# KiCad board panel.opm-inline.kicad_pcb (continued)
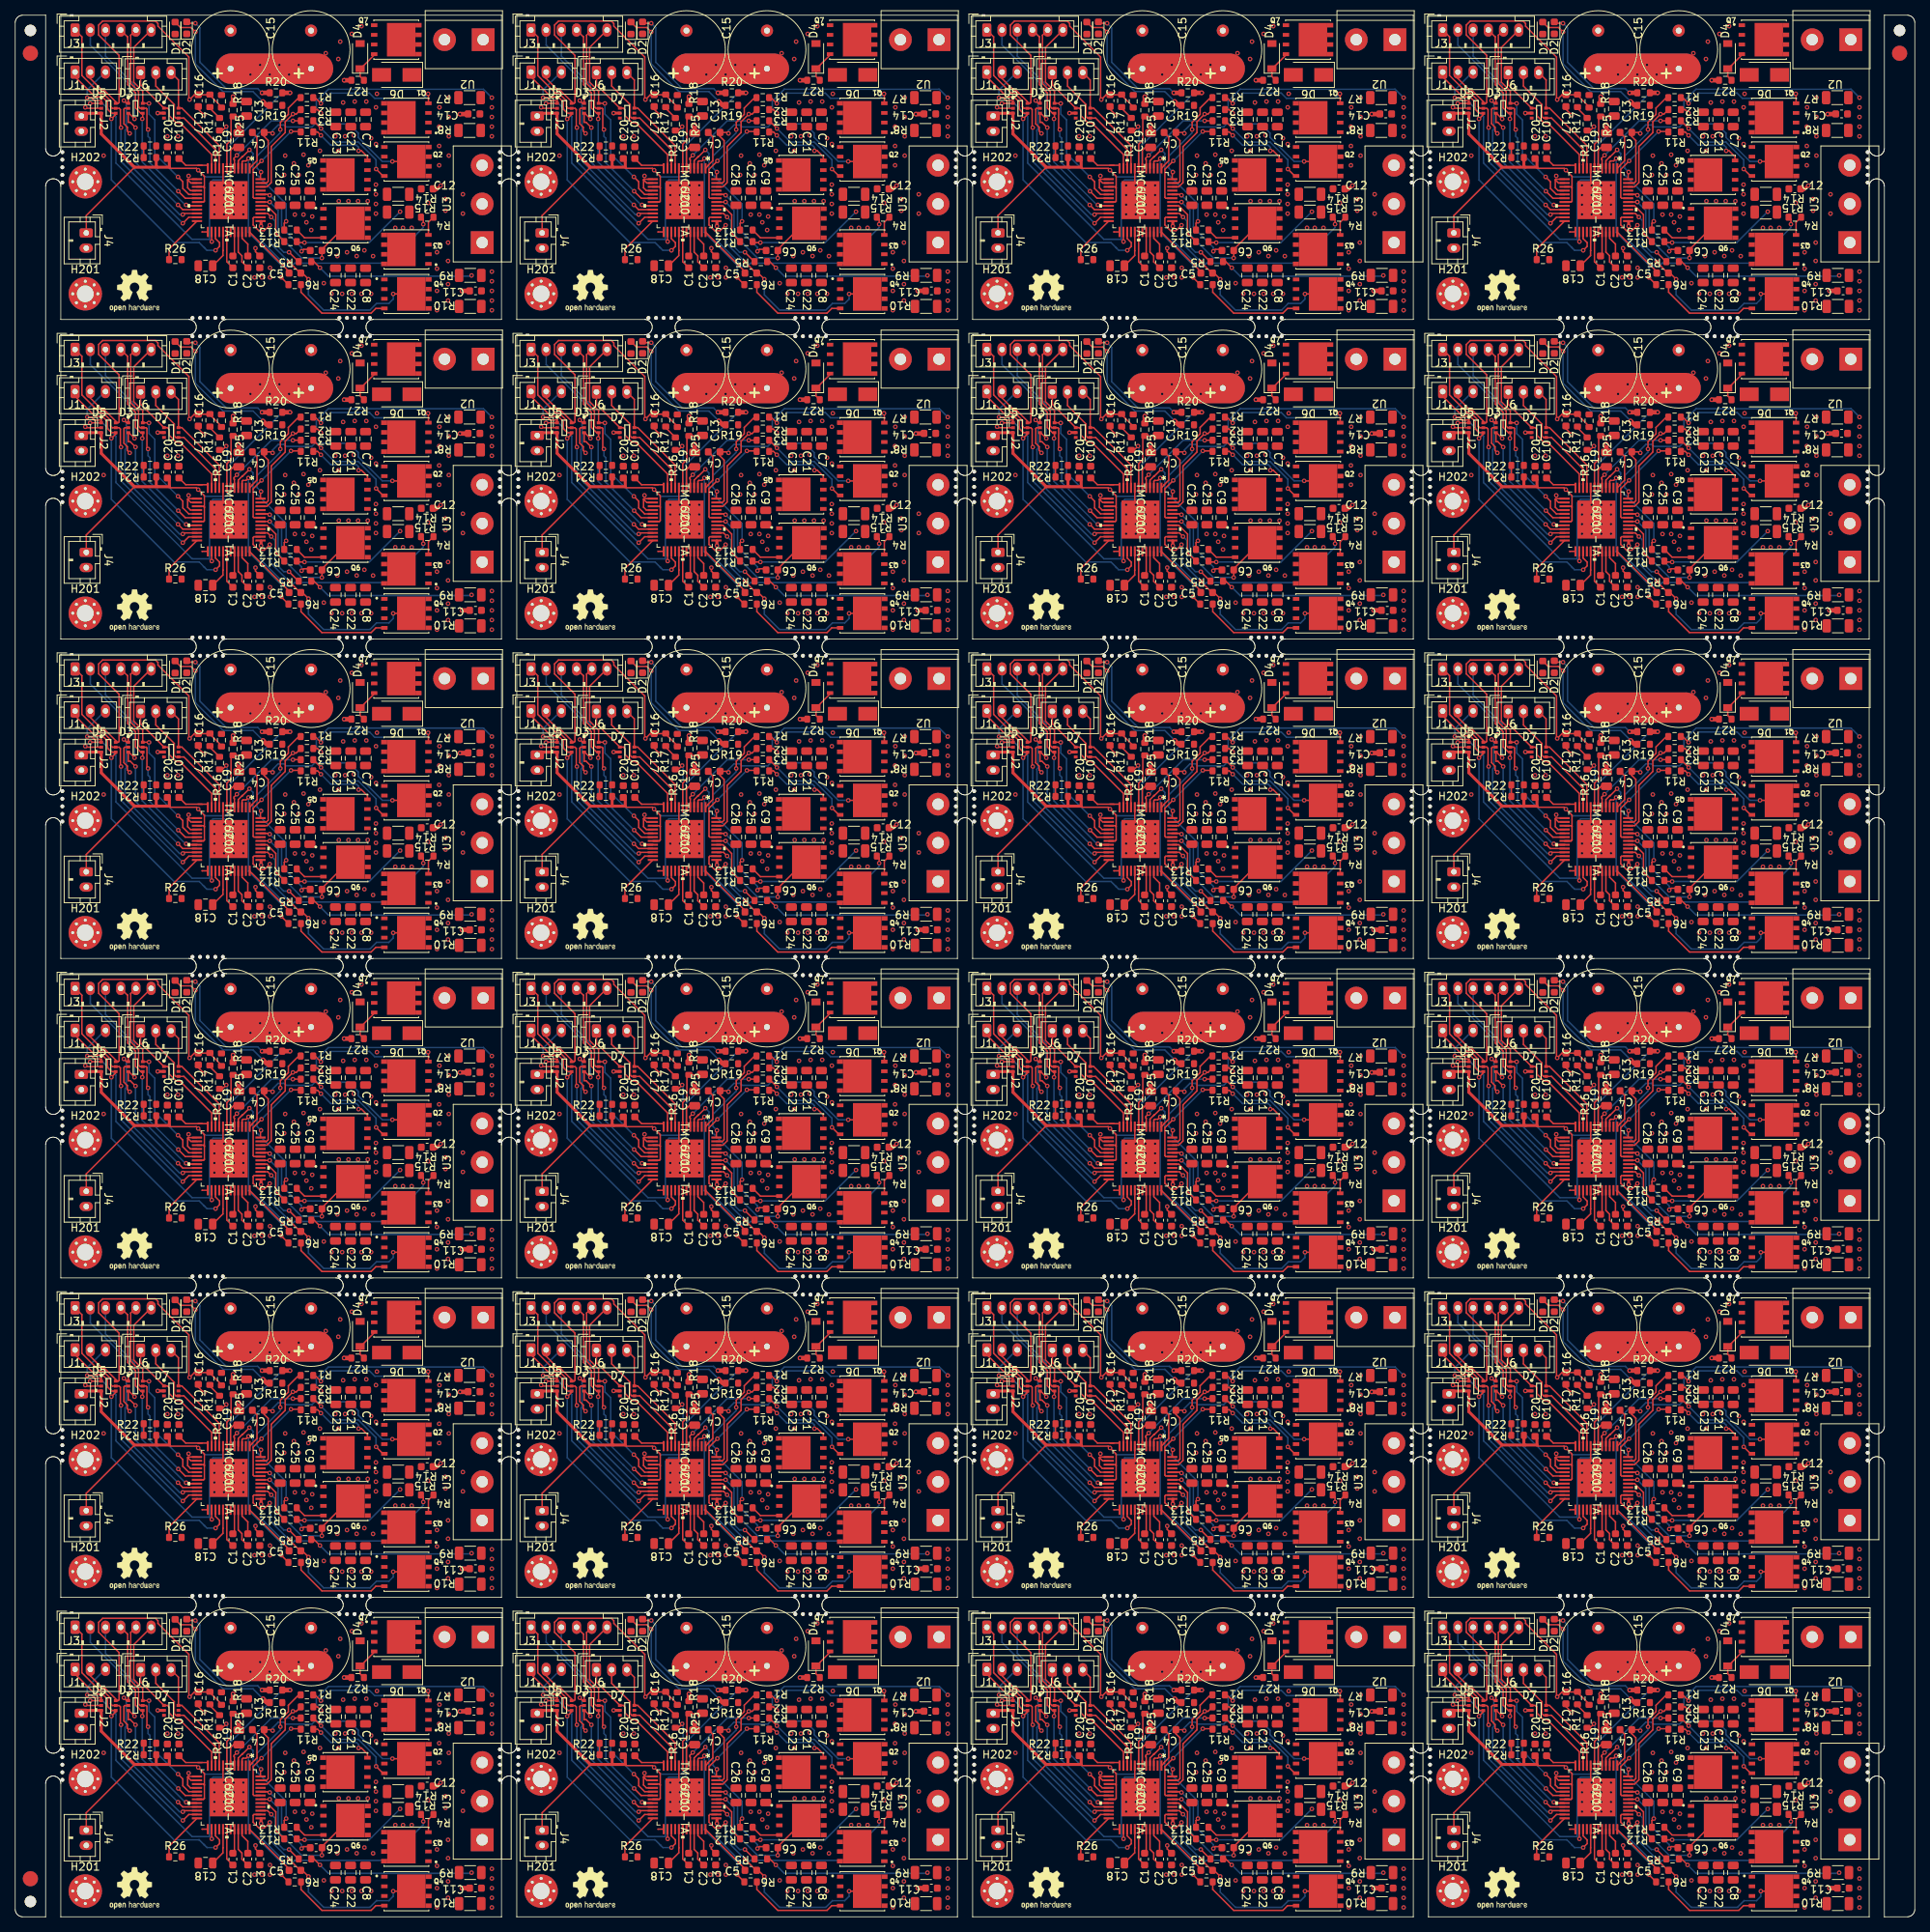
[diagram p0: board, top side]
## Routing (per net, layer and track width the routed paths; a pad name or vN(x,y) marks a point on that pad's centre or on a via; arc(x,y) is an arc through that point) (continued)
  Top w0.4: 80.22,188.86 80.22,187.98 75.64,187.98 71.26,192.36 D5#21.3 69.02,195.08 ; R21#5.1 78.5,188.17
  Bottom w0.2: 87.83,192.55 87.83,186.71 84.9,186.71 v1(84.02,187.59) ; 87.83,192.55 87.83,192.81 ; 87.83,192.55 87.83,193.19 v1(87.71,193.32)
Board_6-/5Vout: length 9
  Top w0.2: IC1#5.7 147.73,191 148.28,191.55 148.28,194.39 R25#15.1 150.26,194.65 C13#17.1
Board_6-/12Vout: length 3.6
  Top w0.2: C19#5.1 148.61,190.59 148.23,190.21 IC1#5.6
Board_6-/+VCC_IO: length 53.8
  Top w0.2: J4#21.1 129.24,181.63 135.59,187.98 ; 128.86,194.71 J2#2.1 128.97,195.08 ; R16#22.1 147.15,192.81 v1(147.66,193.32) ; 144.66,183.41 144.78,183.53 144.78,185.29 ; 144.66,183.41 IC1#5.19 144.66,183.41 ; 140.17,187.98 140.32,187.84 143.73,187.84 v1(143.97,187.59) 144.78,186.79 144.78,185.29 ; 144.78,185.29 144.66,185.41 IC1#5.15 ; 140.17,188.86 C20#20.1 ; 138.45,188.17 138.64,187.98
  Top w0.4: 140.17,188.86 140.17,187.98 135.59,187.98 131.21,192.36 D5#10.3 128.97,195.08 ; R21#21.1 138.45,188.17
  Bottom w0.2: 147.78,192.55 147.78,186.71 144.85,186.71 v1(143.97,187.59) ; 147.78,192.55 147.78,192.81 ; 147.78,192.55 147.78,193.19 v1(147.66,193.32)
Board_7-/5Vout: length 9
  Top w0.2: IC1#6.7 207.68,191 208.23,191.55 208.23,194.39 R25#12.1 210.21,194.65 C13#22.1
Board_7-/12Vout: length 3.6
  Top w0.2: C19#11.1 208.56,190.59 208.18,190.21 IC1#6.6
Board_7-/+VCC_IO: length 53.8
  Top w0.2: J4#14.1 189.19,181.63 195.54,187.98 ; 188.81,194.71 J2#13.1 188.92,195.08 ; R16#20.1 207.1,192.81 v1(207.61,193.32) ; 204.61,183.41 204.73,183.53 204.73,185.29 ; 204.61,183.41 IC1#6.19 204.61,183.41 ; 200.12,187.98 200.27,187.84 203.68,187.84 v1(203.92,187.59) 204.73,186.79 204.73,185.29 ; 204.73,185.29 204.61,185.41 IC1#6.15 ; 200.12,188.86 C20.1 ; 198.4,188.17 198.59,187.98
  Top w0.4: 200.12,188.86 200.12,187.98 195.54,187.98 191.16,192.36 D5#7.3 188.92,195.08 ; R21#3.1 198.4,188.17
  Bottom w0.2: 207.73,192.55 207.73,186.71 204.8,186.71 v1(203.92,187.59) ; 207.73,192.55 207.73,192.81 ; 207.73,192.55 207.73,193.19 v1(207.61,193.32)
Board_8-/5Vout: length 9
  Top w0.2: IC1#23.7 27.83,149.01 28.38,149.56 28.38,152.4 R25#8.1 30.36,152.66 C13#4.1
Board_8-/12Vout: length 3.6
  Top w0.2: C19#3.1 28.71,148.6 28.33,148.22 IC1#23.6
Board_8-/+VCC_IO: length 53.8
  Top w0.2: J4#3.1 9.34,139.64 15.69,145.99 ; 8.96,152.72 J2#15.1 9.07,153.09 ; R16#6.1 27.25,150.82 v1(27.76,151.33) ; 24.76,141.42 24.88,141.54 24.88,143.3 ; 24.76,141.42 IC1#23.19 24.76,141.42 ; 20.27,145.99 20.42,145.85 23.83,145.85 v1(24.07,145.6) 24.88,144.8 24.88,143.3 ; 24.88,143.3 24.76,143.42 IC1#23.15 ; 20.27,146.87 C20#3.1 ; 18.55,146.18 18.74,145.99
  Top w0.4: 20.27,146.87 20.27,145.99 15.69,145.99 11.31,150.37 D5#24.3 9.07,153.09 ; R21#24.1 18.55,146.18
  Bottom w0.2: 27.88,150.56 27.88,144.72 24.95,144.72 v1(24.07,145.6) ; 27.88,150.56 27.88,150.82 ; 27.88,150.56 27.88,151.2 v1(27.76,151.33)
Board_9-/5Vout: length 9
  Top w0.2: IC1#13.7 87.78,149.01 88.33,149.56 88.33,152.4 R25#24.1 90.31,152.66 C13#9.1
Board_9-/12Vout: length 3.6
  Top w0.2: C19#13.1 88.66,148.6 88.28,148.22 IC1#13.6
Board_9-/+VCC_IO: length 53.8
  Top w0.2: J4#13.1 69.29,139.64 75.64,145.99 ; 68.91,152.72 J2#20.1 69.02,153.09 ; R16#19.1 87.2,150.82 v1(87.71,151.33) ; 84.71,141.42 84.83,141.54 84.83,143.3 ; 84.71,141.42 IC1#13.19 84.71,141.42 ; 80.22,145.99 80.37,145.85 83.78,145.85 v1(84.02,145.6) 84.83,144.8 84.83,143.3 ; 84.83,143.3 84.71,143.42 IC1#13.15 ; 80.22,146.87 C20#9.1 ; 78.5,146.18 78.69,145.99
  Top w0.4: 80.22,146.87 80.22,145.99 75.64,145.99 71.26,150.37 D5#6.3 69.02,153.09 ; R21#14.1 78.5,146.18
  Bottom w0.2: 87.83,150.56 87.83,144.72 84.9,144.72 v1(84.02,145.6) ; 87.83,150.56 87.83,150.82 ; 87.83,150.56 87.83,151.2 v1(87.71,151.33)
Board_10-/5Vout: length 9
  Top w0.2: IC1#4.7 147.73,149.01 148.28,149.56 148.28,152.4 R25#22.1 150.26,152.66 C13#21.1
Board_10-/12Vout: length 3.6
  Top w0.2: C19#2.1 148.61,148.6 148.23,148.22 IC1#4.6
Board_10-/+VCC_IO: length 53.8
  Top w0.2: J4#12.1 129.24,139.64 135.59,145.99 ; 128.86,152.72 J2#19.1 128.97,153.09 ; R16#24.1 147.15,150.82 v1(147.66,151.33) ; 144.66,141.42 144.78,141.54 144.78,143.3 ; 144.66,141.42 IC1#4.19 144.66,141.42 ; 140.17,145.99 140.32,145.85 143.73,145.85 v1(143.97,145.6) 144.78,144.8 144.78,143.3 ; 144.78,143.3 144.66,143.42 IC1#4.15 ; 140.17,146.87 C20#21.1 ; 138.45,146.18 138.64,145.99
  Top w0.4: 140.17,146.87 140.17,145.99 135.59,145.99 131.21,150.37 D5#5.3 128.97,153.09 ; R21#11.1 138.45,146.18
  Bottom w0.2: 147.78,150.56 147.78,144.72 144.85,144.72 v1(143.97,145.6) ; 147.78,150.56 147.78,150.82 ; 147.78,150.56 147.78,151.2 v1(147.66,151.33)
Board_11-/5Vout: length 9
  Top w0.2: IC1#8.7 207.68,149.01 208.23,149.56 208.23,152.4 R25#19.1 210.21,152.66 C13#10.1
Board_11-/12Vout: length 3.6
  Top w0.2: C19#7.1 208.56,148.6 208.18,148.22 IC1#8.6
Board_11-/+VCC_IO: length 53.8
  Top w0.2: J4#6.1 189.19,139.64 195.54,145.99 ; 188.81,152.72 J2#5.1 188.92,153.09 ; R16#15.1 207.1,150.82 v1(207.61,151.33) ; 204.61,141.42 204.73,141.54 204.73,143.3 ; 204.61,141.42 IC1#8.19 204.61,141.42 ; 200.12,145.99 200.27,145.85 203.68,145.85 v1(203.92,145.6) 204.73,144.8 204.73,143.3 ; 204.73,143.3 204.61,143.42 IC1#8.15 ; 200.12,146.87 C20#11.1 ; 198.4,146.18 198.59,145.99
  Top w0.4: 200.12,146.87 200.12,145.99 195.54,145.99 191.16,150.37 D5#16.3 188.92,153.09 ; R21#16.1 198.4,146.18
  Bottom w0.2: 207.73,150.56 207.73,144.72 204.8,144.72 v1(203.92,145.6) ; 207.73,150.56 207.73,150.82 ; 207.73,150.56 207.73,151.2 v1(207.61,151.33)
Board_12-/5Vout: length 9
  Top w0.2: IC1#22.7 27.83,107.02 28.38,107.57 28.38,110.41 R25#11.1 30.36,110.67 C13#24.1
Board_12-/12Vout: length 3.6
  Top w0.2: C19#10.1 28.71,106.61 28.33,106.23 IC1#22.6
Board_12-/+VCC_IO: length 53.8
  Top w0.2: J4#10.1 9.34,97.65 15.69,104 ; 8.96,110.73 J2#6.1 9.07,111.1 ; R16#13.1 27.25,108.83 v1(27.76,109.34) ; 24.76,99.43 24.88,99.55 24.88,101.31 ; 24.76,99.43 IC1#22.19 24.76,99.43 ; 20.27,104 20.42,103.86 23.83,103.86 v1(24.07,103.61) 24.88,102.81 24.88,101.31 ; 24.88,101.31 24.76,101.43 IC1#22.15 ; 20.27,104.88 C20#18.1 ; 18.55,104.19 18.74,104
  Top w0.4: 20.27,104.88 20.27,104 15.69,104 11.31,108.38 D5#9.3 9.07,111.1 ; R21#2.1 18.55,104.19
  Bottom w0.2: 27.88,108.57 27.88,102.73 24.95,102.73 v1(24.07,103.61) ; 27.88,108.57 27.88,108.83 ; 27.88,108.57 27.88,109.21 v1(27.76,109.34)
Board_13-/5Vout: length 9
  Top w0.2: IC1#19.7 87.78,107.02 88.33,107.57 88.33,110.41 R25#17.1 90.31,110.67 C13#8.1
Board_13-/12Vout: length 3.6
  Top w0.2: C19.1 88.66,106.61 88.28,106.23 IC1#19.6
Board_13-/+VCC_IO: length 53.8
  Top w0.2: J4.1 69.29,97.65 75.64,104 ; 68.91,110.73 J2#4.1 69.02,111.1 ; R16#21.1 87.2,108.83 v1(87.71,109.34) ; 84.71,99.43 84.83,99.55 84.83,101.31 ; 84.71,99.43 IC1#19.19 84.71,99.43 ; 80.22,104 80.37,103.86 83.78,103.86 v1(84.02,103.61) 84.83,102.81 84.83,101.31 ; 84.83,101.31 84.71,101.43 IC1#19.15 ; 80.22,104.88 C20#6.1 ; 78.5,104.19 78.69,104
  Top w0.4: 80.22,104.88 80.22,104 75.64,104 71.26,108.38 D5#15.3 69.02,111.1 ; R21#13.1 78.5,104.19
  Bottom w0.2: 87.83,108.57 87.83,102.73 84.9,102.73 v1(84.02,103.61) ; 87.83,108.57 87.83,108.83 ; 87.83,108.57 87.83,109.21 v1(87.71,109.34)
Board_14-/5Vout: length 9
  Top w0.2: IC1.7 147.73,107.02 148.28,107.57 148.28,110.41 R25#21.1 150.26,110.67 C13#2.1
Board_14-/12Vout: length 3.6
  Top w0.2: C19#12.1 148.61,106.61 148.23,106.23 IC1.6
Board_14-/+VCC_IO: length 53.8
  Top w0.2: J4#20.1 129.24,97.65 135.59,104 ; 128.86,110.73 J2#24.1 128.97,111.1 ; R16#9.1 147.15,108.83 v1(147.66,109.34) ; 144.66,99.43 144.78,99.55 144.78,101.31 ; 144.66,99.43 IC1.19 144.66,99.43 ; 140.17,104 140.32,103.86 143.73,103.86 v1(143.97,103.61) 144.78,102.81 144.78,101.31 ; 144.78,101.31 144.66,101.43 IC1.15 ; 140.17,104.88 C20#2.1 ; 138.45,104.19 138.64,104
  Top w0.4: 140.17,104.88 140.17,104 135.59,104 131.21,108.38 D5#20.3 128.97,111.1 ; R21#6.1 138.45,104.19
  Bottom w0.2: 147.78,108.57 147.78,102.73 144.85,102.73 v1(143.97,103.61) ; 147.78,108.57 147.78,108.83 ; 147.78,108.57 147.78,109.21 v1(147.66,109.34)
Board_15-/5Vout: length 9
  Top w0.2: IC1#9.7 207.68,107.02 208.23,107.57 208.23,110.41 R25#9.1 210.21,110.67 C13#7.1
Board_15-/12Vout: length 3.6
  Top w0.2: C19#17.1 208.56,106.61 208.18,106.23 IC1#9.6
Board_15-/+VCC_IO: length 53.8
  Top w0.2: J4#24.1 189.19,97.65 195.54,104 ; 188.81,110.73 J2#11.1 188.92,111.1 ; R16#10.1 207.1,108.83 v1(207.61,109.34) ; 204.61,99.43 204.73,99.55 204.73,101.31 ; 204.61,99.43 IC1#9.19 204.61,99.43 ; 200.12,104 200.27,103.86 203.68,103.86 v1(203.92,103.61) 204.73,102.81 204.73,101.31 ; 204.73,101.31 204.61,101.43 IC1#9.15 ; 200.12,104.88 C20#10.1 ; 198.4,104.19 198.59,104
  Top w0.4: 200.12,104.88 200.12,104 195.54,104 191.16,108.38 D5#4.3 188.92,111.1 ; R21#8.1 198.4,104.19
  Bottom w0.2: 207.73,108.57 207.73,102.73 204.8,102.73 v1(203.92,103.61) ; 207.73,108.57 207.73,108.83 ; 207.73,108.57 207.73,109.21 v1(207.61,109.34)
Board_16-/5Vout: length 9
  Top w0.2: IC1#2.7 27.83,65.03 28.38,65.58 28.38,68.42 R25#14.1 30.36,68.68 C13#13.1
Board_16-/12Vout: length 3.6
  Top w0.2: C19#23.1 28.71,64.62 28.33,64.24 IC1#2.6
Board_16-/+VCC_IO: length 53.8
  Top w0.2: J4#5.1 9.34,55.66 15.69,62.01 ; 8.96,68.74 J2.1 9.07,69.11 ; R16#8.1 27.25,66.84 v1(27.76,67.35) ; 24.76,57.44 24.88,57.56 24.88,59.32 ; 24.76,57.44 IC1#2.19 24.76,57.44 ; 20.27,62.01 20.42,61.87 23.83,61.87 v1(24.07,61.62) 24.88,60.82 24.88,59.32 ; 24.88,59.32 24.76,59.44 IC1#2.15 ; 20.27,62.89 C20#23.1 ; 18.55,62.2 18.74,62.01
  Top w0.4: 20.27,62.89 20.27,62.01 15.69,62.01 11.31,66.39 D5.3 9.07,69.11 ; R21#10.1 18.55,62.2
  Bottom w0.2: 27.88,66.58 27.88,60.74 24.95,60.74 v1(24.07,61.62) ; 27.88,66.58 27.88,66.84 ; 27.88,66.58 27.88,67.22 v1(27.76,67.35)
Board_17-/5Vout: length 9
  Top w0.2: IC1#21.7 87.78,65.03 88.33,65.58 88.33,68.42 R25#3.1 90.31,68.68 C13#6.1
Board_17-/12Vout: length 3.6
  Top w0.2: C19#9.1 88.66,64.62 88.28,64.24 IC1#21.6
Board_17-/+VCC_IO: length 53.8
  Top w0.2: J4#4.1 69.29,55.66 75.64,62.01 ; 68.91,68.74 J2#22.1 69.02,69.11 ; R16#2.1 87.2,66.84 v1(87.71,67.35) ; 84.71,57.44 84.83,57.56 84.83,59.32 ; 84.71,57.44 IC1#21.19 84.71,57.44 ; 80.22,62.01 80.37,61.87 83.78,61.87 v1(84.02,61.62) 84.83,60.82 84.83,59.32 ; 84.83,59.32 84.71,59.44 IC1#21.15 ; 80.22,62.89 C20#14.1 ; 78.5,62.2 78.69,62.01
  Top w0.4: 80.22,62.89 80.22,62.01 75.64,62.01 71.26,66.39 D5#14.3 69.02,69.11 ; R21.1 78.5,62.2
  Bottom w0.2: 87.83,66.58 87.83,60.74 84.9,60.74 v1(84.02,61.62) ; 87.83,66.58 87.83,66.84 ; 87.83,66.58 87.83,67.22 v1(87.71,67.35)
Board_18-/5Vout: length 9
  Top w0.2: IC1#20.7 147.73,65.03 148.28,65.58 148.28,68.42 R25#13.1 150.26,68.68 C13#20.1
Board_18-/12Vout: length 3.6
  Top w0.2: C19#15.1 148.61,64.62 148.23,64.24 IC1#20.6
Board_18-/+VCC_IO: length 53.8
  Top w0.2: J4#22.1 129.24,55.66 135.59,62.01 ; 128.86,68.74 J2#9.1 128.97,69.11 ; R16#17.1 147.15,66.84 v1(147.66,67.35) ; 144.66,57.44 144.78,57.56 144.78,59.32 ; 144.66,57.44 IC1#20.19 144.66,57.44 ; 140.17,62.01 140.32,61.87 143.73,61.87 v1(143.97,61.62) 144.78,60.82 144.78,59.32 ; 144.78,59.32 144.66,59.44 IC1#20.15 ; 140.17,62.89 C20#13.1 ; 138.45,62.2 138.64,62.01
  Top w0.4: 140.17,62.89 140.17,62.01 135.59,62.01 131.21,66.39 D5#13.3 128.97,69.11 ; R21#12.1 138.45,62.2
  Bottom w0.2: 147.78,66.58 147.78,60.74 144.85,60.74 v1(143.97,61.62) ; 147.78,66.58 147.78,66.84 ; 147.78,66.58 147.78,67.22 v1(147.66,67.35)
Board_19-/5Vout: length 9
  Top w0.2: IC1#18.7 207.68,65.03 208.23,65.58 208.23,68.42 R25#20.1 210.21,68.68 C13#15.1
Board_19-/12Vout: length 3.6
  Top w0.2: C19#24.1 208.56,64.62 208.18,64.24 IC1#18.6
Board_19-/+VCC_IO: length 53.8
  Top w0.2: J4#23.1 189.19,55.66 195.54,62.01 ; 188.81,68.74 J2#8.1 188.92,69.11 ; R16#16.1 207.1,66.84 v1(207.61,67.35) ; 204.61,57.44 204.73,57.56 204.73,59.32 ; 204.61,57.44 IC1#18.19 204.61,57.44 ; 200.12,62.01 200.27,61.87 203.68,61.87 v1(203.92,61.62) 204.73,60.82 204.73,59.32 ; 204.73,59.32 204.61,59.44 IC1#18.15 ; 200.12,62.89 C20#24.1 ; 198.4,62.2 198.59,62.01
  Top w0.4: 200.12,62.89 200.12,62.01 195.54,62.01 191.16,66.39 D5#23.3 188.92,69.11 ; R21#4.1 198.4,62.2
  Bottom w0.2: 207.73,66.58 207.73,60.74 204.8,60.74 v1(203.92,61.62) ; 207.73,66.58 207.73,66.84 ; 207.73,66.58 207.73,67.22 v1(207.61,67.35)
Board_20-/5Vout: length 9
  Top w0.2: IC1#14.7 27.83,23.04 28.38,23.59 28.38,26.43 R25#7.1 30.36,26.69 C13#19.1
Board_20-/12Vout: length 3.6
  Top w0.2: C19#16.1 28.71,22.63 28.33,22.25 IC1#14.6
Board_20-/+VCC_IO: length 53.8
  Top w0.2: J4#9.1 9.34,13.67 15.69,20.02 ; 8.96,26.75 J2#21.1 9.07,27.12 ; R16#18.1 27.25,24.85 v1(27.76,25.36) ; 24.76,15.45 24.88,15.57 24.88,17.33 ; 24.76,15.45 IC1#14.19 24.76,15.45 ; 20.27,20.02 20.42,19.88 23.83,19.88 v1(24.07,19.63) 24.88,18.83 24.88,17.33 ; 24.88,17.33 24.76,17.45 IC1#14.15 ; 20.27,20.9 C20#4.1 ; 18.55,20.21 18.74,20.02
  Top w0.4: 20.27,20.9 20.27,20.02 15.69,20.02 11.31,24.4 D5#11.3 9.07,27.12 ; R21#20.1 18.55,20.21
  Bottom w0.2: 27.88,24.59 27.88,18.75 24.95,18.75 v1(24.07,19.63) ; 27.88,24.59 27.88,24.85 ; 27.88,24.59 27.88,25.23 v1(27.76,25.36)
Board_21-/5Vout: length 9
  Top w0.2: IC1#24.7 87.78,23.04 88.33,23.59 88.33,26.43 R25#16.1 90.31,26.69 C13#5.1
Board_21-/12Vout: length 3.6
  Top w0.2: C19#4.1 88.66,22.63 88.28,22.25 IC1#24.6
Board_21-/+VCC_IO: length 53.8
  Top w0.2: J4#8.1 69.29,13.67 75.64,20.02 ; 68.91,26.75 J2#12.1 69.02,27.12 ; R16#14.1 87.2,24.85 v1(87.71,25.36) ; 84.71,15.45 84.83,15.57 84.83,17.33 ; 84.71,15.45 IC1#24.19 84.71,15.45 ; 80.22,20.02 80.37,19.88 83.78,19.88 v1(84.02,19.63) 84.83,18.83 84.83,17.33 ; 84.83,17.33 84.71,17.45 IC1#24.15 ; 80.22,20.9 C20#5.1 ; 78.5,20.21 78.69,20.02
  Top w0.4: 80.22,20.9 80.22,20.02 75.64,20.02 71.26,24.4 D5#17.3 69.02,27.12 ; R21#19.1 78.5,20.21
  Bottom w0.2: 87.83,24.59 87.83,18.75 84.9,18.75 v1(84.02,19.63) ; 87.83,24.59 87.83,24.85 ; 87.83,24.59 87.83,25.23 v1(87.71,25.36)
Board_22-/5Vout: length 9
  Top w0.2: IC1#17.7 147.73,23.04 148.28,23.59 148.28,26.43 R25#2.1 150.26,26.69 C13#23.1
Board_22-/12Vout: length 3.6
  Top w0.2: C19#18.1 148.61,22.63 148.23,22.25 IC1#17.6
Board_22-/+VCC_IO: length 53.8
  Top w0.2: J4#2.1 129.24,13.67 135.59,20.02 ; 128.86,26.75 J2#16.1 128.97,27.12 ; R16#5.1 147.15,24.85 v1(147.66,25.36) ; 144.66,15.45 144.78,15.57 144.78,17.33 ; 144.66,15.45 IC1#17.19 144.66,15.45 ; 140.17,20.02 140.32,19.88 143.73,19.88 v1(143.97,19.63) 144.78,18.83 144.78,17.33 ; 144.78,17.33 144.66,17.45 IC1#17.15 ; 140.17,20.9 C20#19.1 ; 138.45,20.21 138.64,20.02
  Top w0.4: 140.17,20.9 140.17,20.02 135.59,20.02 131.21,24.4 D5#12.3 128.97,27.12 ; R21#22.1 138.45,20.21
  Bottom w0.2: 147.78,24.59 147.78,18.75 144.85,18.75 v1(143.97,19.63) ; 147.78,24.59 147.78,24.85 ; 147.78,24.59 147.78,25.23 v1(147.66,25.36)
Board_23-/5Vout: length 9
  Top w0.2: IC1#15.7 207.68,23.04 208.23,23.59 208.23,26.43 R25#23.1 210.21,26.69 C13#12.1
Board_23-/12Vout: length 3.6
  Top w0.2: C19#19.1 208.56,22.63 208.18,22.25 IC1#15.6
Board_23-/+VCC_IO: length 53.8
  Top w0.2: J4#19.1 189.19,13.67 195.54,20.02 ; 188.81,26.75 J2#10.1 188.92,27.12 ; R16#4.1 207.1,24.85 v1(207.61,25.36) ; 204.61,15.45 204.73,15.57 204.73,17.33 ; 204.61,15.45 IC1#15.19 204.61,15.45 ; 200.12,20.02 200.27,19.88 203.68,19.88 v1(203.92,19.63) 204.73,18.83 204.73,17.33 ; 204.73,17.33 204.61,17.45 IC1#15.15 ; 200.12,20.9 C20#17.1 ; 198.4,20.21 198.59,20.02
  Top w0.4: 200.12,20.9 200.12,20.02 195.54,20.02 191.16,24.4 D5#8.3 188.92,27.12 ; R21#15.1 198.4,20.21
  Bottom w0.2: 207.73,24.59 207.73,18.75 204.8,18.75 v1(203.92,19.63) ; 207.73,24.59 207.73,24.85 ; 207.73,24.59 207.73,25.23 v1(207.61,25.36)
Board_0-/+VM: length 61.7
  Top w0.2: IC1#3.33 29.33,218.81 29.82,218.33 29.82,217.53 C2#3.1
  Top w0.6: R25#18.2 v1(28.65,239.24)
  Top w4: 28.39,242.93 39.82,242.93
  In1.Cu w4: 28.65,242.93 38.45,242.93
  In2.Cu w4: 28.39,242.93 39.82,242.93 28.39,242.93
  Bottom w4: 28.39,242.93 39.82,242.93
  vias: v1(30.93,242.16) v1(31.46,215.49) v1(32.2,243.43) v1(32.43,215.49) v1(33.47,242.16) v1(33.5,216.76) v1(33.5,215.49) v1(34.74,243.43) v1(35.38,228.96) v1(35.5,231.5) v1(36.01,242.16) v1(36.65,230.48) v1(37.28,243.43) v1(37.28,228.96) v1(37.92,231.62) v1(38.55,230.23) v1(40.08,232.13) v1(40.84,244.96) v1(42.36,218.3) v1(42.49,244.2) v1(42.49,232.13) v1(42.74,246.48) v1(43.12,238.48) v1(43.63,218.8) v1(44.27,247.5) v1(44.65,238.61) v1(44.9,218.3) v1(45.54,248.51) v1(45.92,219.05) v1(46.17,238.61) v1(47.06,218.29) v1(47.44,237.85) v1(47.57,239.62) v1(49.98,222.01) v1(51,222.01) v1(52.14,222.01)
Board_0-/ADC_I_u: length 15.5
  Top w0.2: IC1#3.9 26.83,232.82 21.92,237.73 D7#8.6 21.47,241.44 J6#11.3
Board_0-/ADC_I_v: length 17.7
  Top w0.2: 26.27,230.31 26.33,230.25 IC1#3.10 26.33,232.29 22.18,236.43 D7#8.4 21.13,236.43 20.92,236.64 20.92,238.21 18.49,240.64 J6#11.2 18.99,241.91
Board_0-/ADC_I_w: length 17
  Top w0.2: IC1#3.11 25.83,231.64 21.66,235.81 21.18,235.81 20.26,236.73 20.26,237.49 20.02,237.73 D7#8.1 16.49,240.82 J6#11.1
Board_0-/Connectors/VOFS: length 1.8
  Top w0.2: R22#2.1 R21#9.2 ; 16.58,231.12 16.9,231.12
Board_0-/DRV_EN: length 38.5
  Top w0.2: v1(12.64,236.32) 13.21,236.89 D5#18.4 12.66,237.07 12.14,237.59 12.14,238.54 11.44,239.23 10.5,239.23 7.87,241.86 J1#9.1 ; v1(26.35,219.05) 26.87,219.57 26.87,220.06 26.33,220.59 IC1#3.27 26.33,221.05 26.35,221.03
  Bottom w0.2: 24.84,219.43 24.96,219.3 ; 24.84,219.43 24.2,220.07 20.88,220.07 12.64,228.3 v1(12.64,236.32) ; 24.84,219.43 25.22,219.05 v1(26.35,219.05)
Board_0-/FAULT: length 63.4
  Top w0.2: v1(9.85,238.35) 9.87,238.37 D5#18.1 11.31,238.68 ; 11.37,238.74 10.43,238.74 10.05,239.12 v1(9.47,239.12) ; v1(25.85,220.19) 25.83,220.21 IC1#3.26
  Top w0.6: R20#9.2 v1(36.14,239.75)
  Bottom w0.2: 13.15,236.7 12.93,236.92 ; 13.15,236.7 13.24,236.61 13.24,230.52 23.27,220.49 25.55,220.49 ; 13.15,236.7 11.5,238.35 v1(9.85,238.35) ; 25.55,220.49 v1(25.85,220.19) ; 25.55,220.49 25.55,227.83 26.02,228.3 28.05,228.3 28.28,228.54 28.28,232.91 35.12,239.75 v1(36.14,239.75) ; J1#9.3 11.81,242.48 9.47,240.13 v1(9.47,239.12)
Board_0-/Motor Driver/VOFS: length 4.7
  Top w0.2: 24.04,230.23 25.31,230.23 ; C10#13.1 22.42,230.23 24.58,230.23
Board_0-/TEMP_PCB: length 42.5
  Top w0.2: 13.21,245.12 13.2,245.13 ; 13.2,245.13 13.66,244.67 13.66,238.48 13.55,238.37 D5#18.6 13.21,238.59 11.78,240.03 11.48,240.03 9.87,241.63 J1#9.2 ; 13.2,245.13 10.97,247.36 10.97,248.65 11.5,249.18 18.45,249.18 18.77,248.86 18.77,248.52 22.84,244.45 22.84,238.95 v1(22.93,238.86) 23.57,239.5 C17#9.1 25.57,239.5 R17#19.2 25.6,239.43 27.12,237.91
Board_0-/U: length 27.2
  Top w0.2: R2.1 39.74,237.55 v1(40.2,237.08)
  Bottom w0.2: v1(62.68,239.12) 61.57,240.22 41.18,240.22 39.6,238.64 39.6,237.68 v1(40.2,237.08)
  vias: v1(62.68,237.85) v1(62.68,236.58) v1(62.68,235.31) v1(62.68,234.04)
Board_0-/UH: length 27.5
  Top w0.2: v1(21.41,228.7) 22.04,228.07 22.04,227.18 22.82,226.4 IC1#3.17 ; 17.87,247.65 J3#13.6 15.59,245.72 15.59,241.15 16.77,239.97 D3#9.6 17.58,238.37 v1(17.6,238.35)
  Bottom w0.2: v1(17.6,238.35) 17.6,236.96 18.36,236.2 18.36,231.75 v1(21.41,228.7)
Board_0-/UL: length 27.4
  Top w0.2: v1(17.47,234.93) 17.32,235.08 17.32,237.62 17.22,237.72 D3#9.5 16.43,237.72 16.22,237.93 16.22,239.93 16.07,240.07 16.07,240.1 15.19,240.98 15.19,247.32 J3#13.5 ; IC1#3.18 22.36,225.9 v1(21.44,226.82)
  Bottom w0.2: v1(17.47,234.93) 17.47,234.04 17.72,233.78 17.72,230.53 v1(21.44,226.82)
Board_0-/V: length 15.3
  Top w0.2: R12#18.1 37.15,220.07 v1(38.04,220.07)
  Bottom w0.2: v1(50.62,224.13) 46.55,220.07 v1(38.04,220.07)
  vias: v1(54.3,225.27) v1(56.59,225.78) v1(56.59,224.26) v1(58.87,226.42) v1(58.87,223.88)
Board_0-/VH: length 30.4
  Top w0.2: v1(22.48,225.02) 22.6,224.9 IC1#3.20 23.03,224.9 ; D3#9.4 16.51,237.07 15.82,237.76 15.82,239.75 15.42,240.15 15.42,240.19 14.79,240.82 14.79,247.12 14.76,247.12 J3#13.4 ; D3#9.4 16.57,237.07 ; D3#9.4 16.77,236.26
  Bottom w0.2: 16.71,236.2 16.71,230.66 22.48,224.9 22.29,224.9 22.29,225.01 ; 14.42,247.46 J3#13.4
  vias: v1(16.71,236.32)
Board_0-/VL: length 32.1
  Top w0.2: IC1#3.21 22.03,224.4 v1(21.41,225.02) ; v1(15.69,236.32) 14.94,237.07 D3#9.3 ; 14.93,237.01 D3#9.3 ; D3#9.3 14.87,235.88 15.12,235.88 v1(15.82,235.18)
  Bottom w0.2: v1(15.69,236.32) 15.69,240.77 11.87,244.59 J3#13.3 ; v1(21.41,225.02) 15.82,230.61 v1(15.82,235.18)
Board_0-/VSA: length 5
  Top w0.2: C18#4.1 27.32,218.37 27.32,219.01 27.33,219.02 IC1#3.29
Board_0-/W: length 21.9
  Top w0.2: 38.96,217.78 38.93,217.76 ; R5#17.1 39.28,217.56 v1(40.08,216.76)
  Bottom w0.2: v1(40.08,216.76) 41.18,215.66 59.92,215.66 v1(60.01,215.75)
  vias: v1(62.68,216.26) v1(62.68,214.99) v1(62.68,213.72) v1(62.68,212.45) v1(62.68,211.18)
Board_0-/WH: length 33.7
  Top w0.2: v1(14.29,238.74) 14.66,238.37 D3#9.1 ; IC1#3.22 22.19,223.9 v1(22.04,223.75) ; D3#9.1 14.8,238.44 ; D3#9.1 14.87,239.18 v1(15.06,239.37)
  Bottom w0.2: 14.91,230.46 21.62,223.75 v1(22.04,223.75) ; 14.91,230.46 14.46,230.91 14.46,234.83 14.59,234.97 14.59,238.44 v1(14.29,238.74) ; 14.91,230.46 14.8,230.56 ; 13.51,242.38 13.31,242.58 ; 13.31,242.58 9.87,246.02 J3#13.2 ; 13.31,242.58 14.71,241.18 ; 14.8,241.09 14.71,241.18 ; 14.71,241.18 15.06,240.84 v1(15.06,239.37)
Board_0-/WL: length 34.8
  Top w0.2: IC1#3.23 22.83,223.4 v1(22.04,222.61) ; v1(13.91,235.18) 13.83,235.26 13.83,237.55 13.66,237.72 D5#18.5 12.76,237.72 12.54,237.95 12.54,238.7 11.61,239.63 11.17,239.63 8.77,242.03 8.77,247.11 J3#13.1 7.89,248.01
  Bottom w0.2: v1(22.04,222.61) 13.91,230.73 v1(13.91,235.18) ; 7.87,247.46 J3#13.1
Board_0-GND: length 31.2
  Top w0.2: 59.54,236.96 C14#21.2 ; C17#9.2 24.07,237.59 v1(24.84,236.83) ; D5#18.2 9.34,237.72 v1(9.21,237.85) ; 24.58,221.46 24.59,221.47 IC1#3.25 25.33,221.36 ; 29.83,227.4 IC1#3.EPAD ; IC1#3.EPAD 27.33,226.4 IC1#3.8 ; IC1#3.EPAD 25.83,223.4 ; v1(15.06,234.42) 14.76,234.72 14.76,235.22 14.29,235.69 14.29,237.6 14.42,237.72 D3#9.2 ; C3#21.2 31.59,218.87 v1(31.59,219.33) ; 18.74,237.08 v1(18.74,237.08) ; IC1#3.13 22.75,228.4 22.68,228.32 ; IC1#3.14 23.1,227.9 22.68,228.32 ; 22.68,228.32 22.68,227.27 23.05,226.9 IC1#3.16
  Top w0.4: 54.95,227.05 55.44,227.05 v1(55.95,227.56) ; D7#8.2 18.74,237.08
  Top w0.6: v1(43.25,241.4) R27#20.2 ; v1(58.74,213.72) C11#20.2 ; v1(58.49,236.96) 59.54,236.96 ; C19#8.2 v1(29.41,235.56)
  vias: v1(11.63,231.5) v1(20.01,234.04) v1(21.41,234.04) v1(22.8,228.83) v1(26.19,227.59) v1(26.19,226.32) v1(26.19,225.05) v1(26.19,223.78) v1(27.46,227.59) v1(27.46,226.32) v1(27.46,225.05) v1(27.46,223.78) v1(28.73,227.59) v1(28.73,226.32) v1(28.73,225.05) v1(28.73,223.78) v1(30,227.59) v1(30,226.32) v1(30,225.05) v1(30,223.78) v1(36.77,223.75) v1(37.92,223.75) v1(38.3,222.73) v1(38.93,221.72) v1(39.06,223.5) v1(40.58,214.73) v1(41.6,213.34) v1(42.11,234.04) v1(43,213.34) v1(43.38,234.04) v1(44.27,213.34) v1(44.52,234.16) v1(45.54,213.34) v1(46.81,233.78) v1(46.81,213.34) v1(47.44,233.02)
Board_0-Net-(C1-Pad1): length 5
  Top w0.2: IC1#3.30 27.83,217.55 C1#10.1
Board_0-Net-(C1-Pad2): length 3.2
  Top w0.2: C1#10.2 28.83,218.52 IC1#3.32
Board_0-Net-(C2-Pad2): length 3.5
  Top w0.2: IC1#3.34 29.83,220.63 30.59,219.87 C2#3.2
Board_0-Net-(C4-Pad1): length 31
  Top w0.2: C4#19.1 32.74,234.07 ; C4#19.1 33.73,234.54 v1(33.85,234.42) ; C4#19.1 32.74,234.01 33.27,233.47 33.27,228.12 33.05,227.9 IC1#3.47 ; v1(49.6,230.73) 49.61,230.73 Q2#5.5
  Bottom w0.2: v1(33.85,234.42) 33.85,234.8 34.58,235.53 35.34,235.53 35.6,235.27 39.03,235.27 39.42,235.66 43.91,235.66 45.12,234.45 45.12,233.89 48.28,230.73 v1(49.6,230.73)
  vias: v1(55.79,237.85) v1(55.75,235.31) v1(55.75,232.77) v1(55.75,230.23) v1(57.02,239.12) v1(57.02,236.58) v1(57.02,234.04) v1(57.02,231.5)
Board_0-Net-(C4-Pad2): length 5.4
  Top w0.2: C4#19.2 31.79,233.94 31.79,230.83 31.19,230.23 31.19,230.18 IC1#3.1
Board_0-Net-(C5-Pad1): length 7.4
  Top w0.2: IC1#3.36 30.83,221.44 36.01,216.26
Board_0-Net-(C5-Pad2): length 31.7
  Top w0.2: v1(49.71,213.32) Q4#16.5 ; v1(38.56,215.25) 37.76,216.06 C5#13.2 ; v1(33.47,222.35) 32.74,221.63 32.04,221.63 31.29,222.38 31.29,223.28 31.41,223.4 IC1#3.38 ; 37.56,216.26 37.28,216.26 v1(36.01,217.53)
  Bottom w0.2: v1(33.47,222.35) 33.57,222.25 33.57,219.97 v1(36.01,217.53) ; v1(49.71,213.32) 49.71,212.63 49.14,212.07 47.51,212.07 46.64,211.2 40.56,211.2 38.56,213.2 v1(38.56,215.25)
  vias: v1(55.46,218.8) v1(55.46,216.64) v1(55.46,213.72) v1(55.46,211.18) v1(56.92,220.07) v1(56.92,217.65) v1(56.92,214.61) v1(56.92,212.45)
Board_0-Net-(C6-Pad1): length 19.3
  Top w0.2: v1(33.47,225.4) 33.47,225.4 IC1#3.42 ; Q6#14.5 43.77,222.61 40.34,219.18 40.34,218.05 v1(40.33,218.03)
  Bottom w0.2: v1(33.47,225.4) 34.57,224.3 34.57,221.13 37.66,218.03 v1(40.33,218.03)
  vias: v1(42.55,225.52) v1(43.82,225.52) v1(45.09,225.52) v1(46.36,225.52) v1(47.43,227.69) v1(47.43,226.42) v1(47.43,225.15) v1(47.43,223.88)
Board_0-Net-(C6-Pad2): length 12.4
  Top w0.2: v1(37.66,218.92) 37.92,219.18 38.79,219.18 ; v1(33.47,226.29) 33.36,226.4 IC1#3.44 33.11,226.4
  Bottom w0.2: v1(37.66,218.92) 37.66,219.43 35.03,222.06 35.03,224.73 v1(33.47,226.29)
